# KiCad board poly_kb_wave_left_plate.kicad_pcb
title: PolyKB Atom; date: 2022-02-01; rev: 2.1; company: thpoll
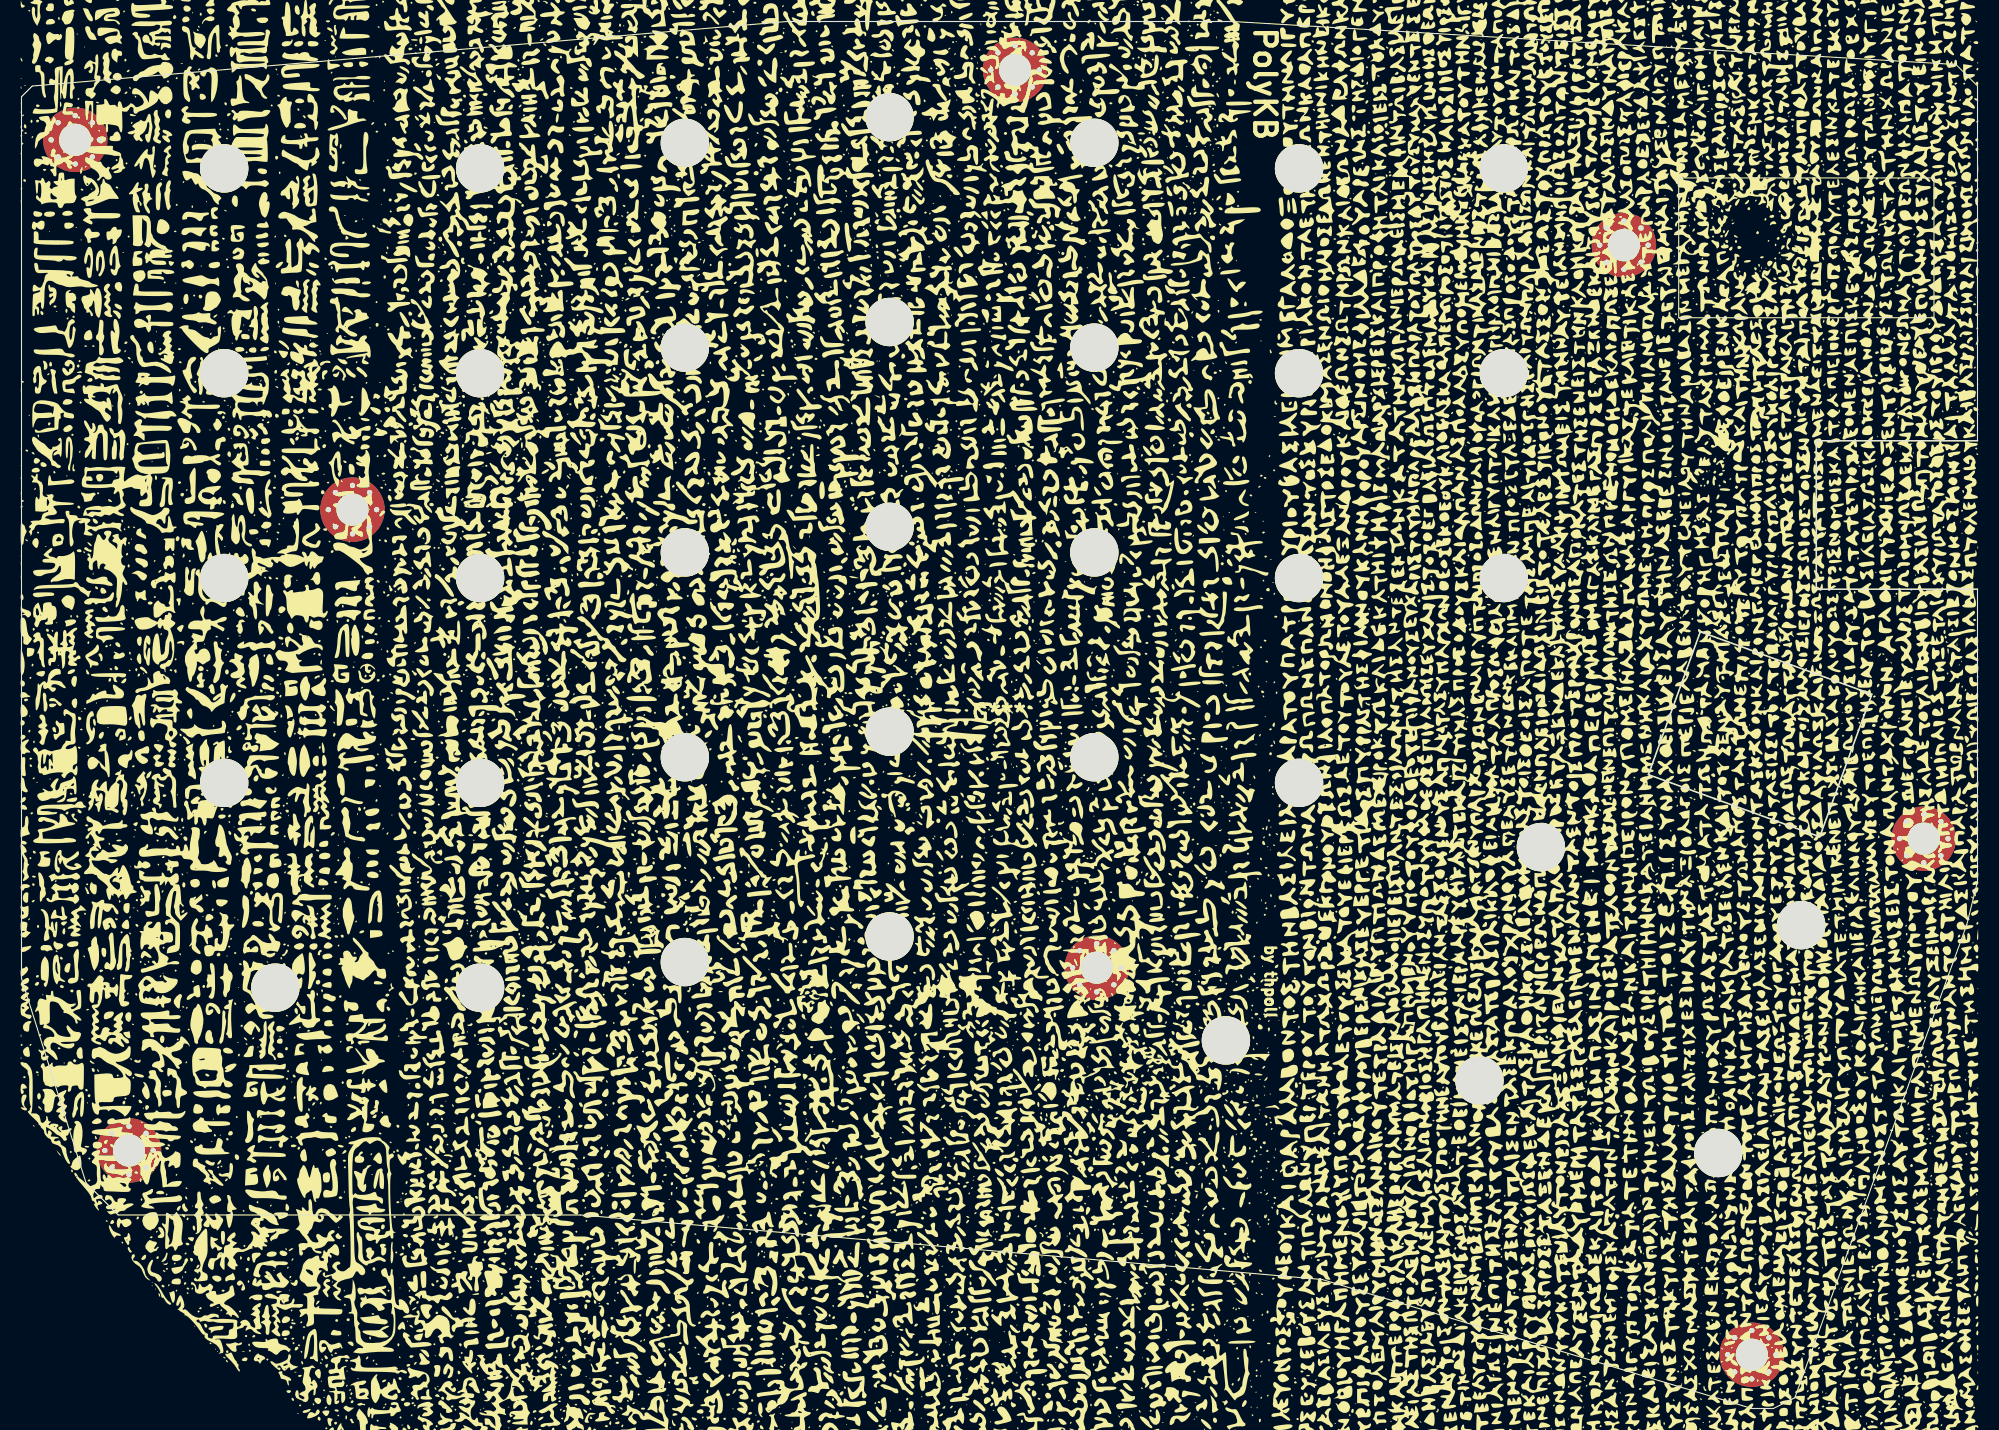
[diagram p0: board, top side]
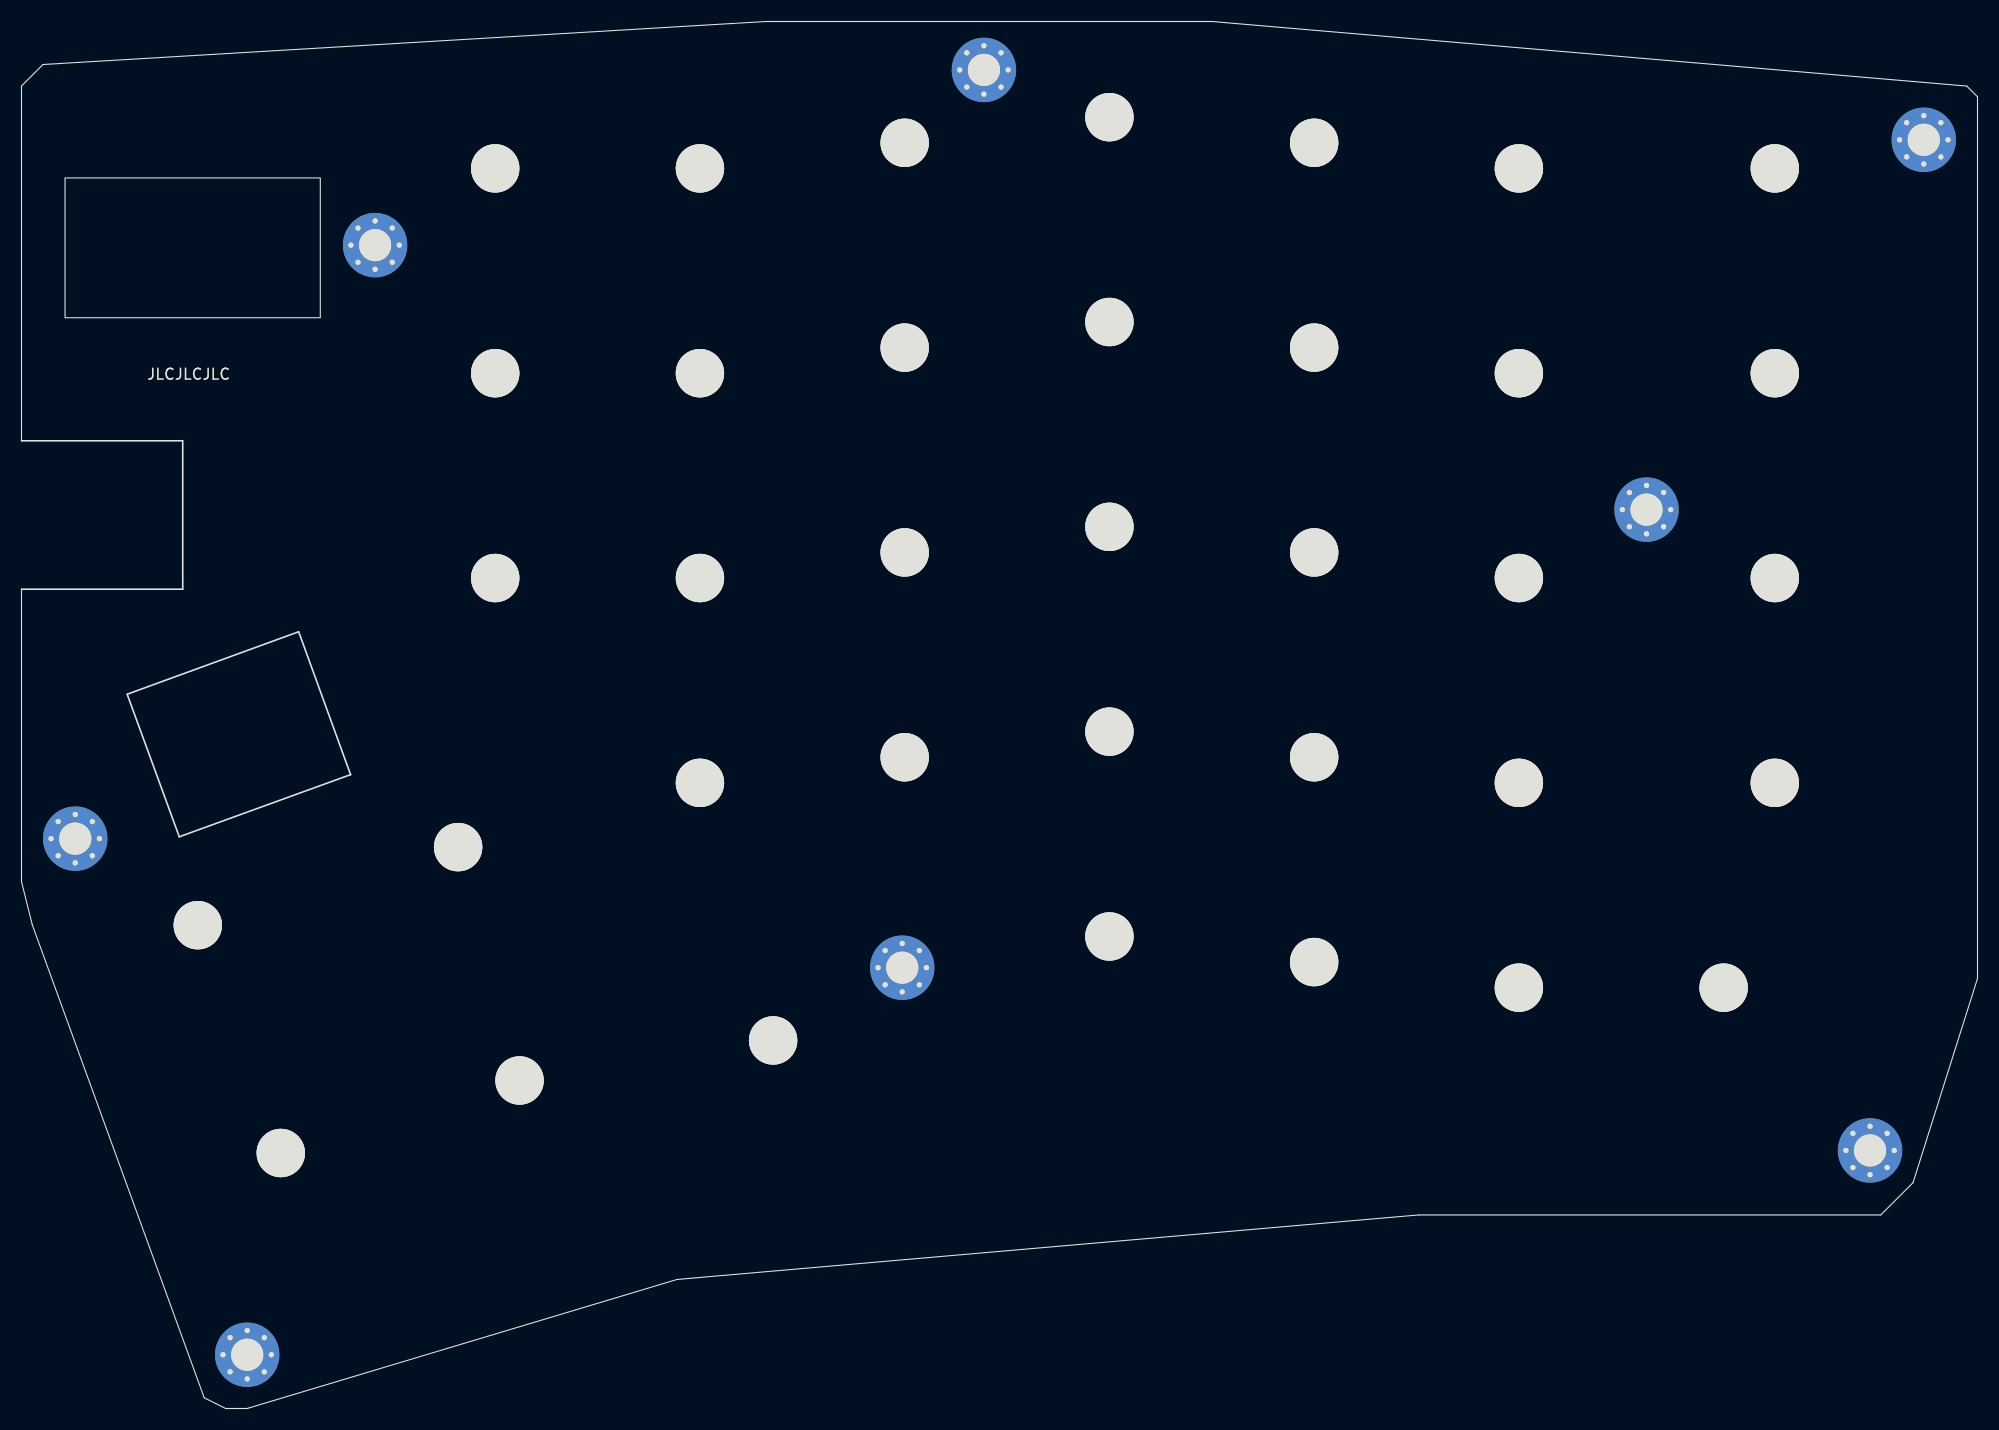
[diagram p1: board, bottom side, seen from below]

Outline 182 x 129 mm; copper layers: Top, Bottom. Coordinates in mm from the lower left corner of the outline.
Outline path: rectangle 154.2,114.45 177.95,101.45 ; 172.17,66.43 167.32,53.17 151.38,58.95 156.21,72.24 172.16,66.43 ; 0,122 0,40 6,21 9,18 52,18 121,12 161,0 163,0 165,1 181,45 182,49 182,76.2 167,76.2 167,90 182,90 182,123 180,125 112.7,129 71.2,129 1,123 0,122 ; 11.29,113.54 11.29,101.54 12.09,101.54 12.09,100.54 26.09,100.54 26.09,101.54 26.89,101.54 26.89,113.54 26.09,113.54 26.09,114.54 12.09,114.54 12.09,113.54 11.29,113.54 ; 11.29,94.49 11.29,82.49 12.09,82.49 12.09,81.49 26.09,81.49 26.09,82.49 26.89,82.49 26.89,94.49 26.09,94.49 26.09,95.49 12.09,95.49 12.09,94.49 11.29,94.49 ; 11.29,75.44 11.29,63.44 12.09,63.44 12.09,62.44 26.09,62.44 26.09,63.44 26.89,63.44 26.89,75.44 26.09,75.44 26.09,76.44 12.09,76.44 12.09,75.44 11.29,75.44 ; 11.29,56.39 11.29,44.39 12.09,44.39 12.09,43.39 26.09,43.39 26.09,44.39 26.89,44.39 26.89,56.39 26.09,56.39 26.09,57.39 12.09,57.39 12.09,56.39 11.29,56.39 ; 16.05,37.34 16.05,25.34 16.85,25.34 16.85,24.34 30.85,24.34 30.85,25.34 31.65,25.34 31.65,37.34 30.85,37.34 30.85,38.34 16.85,38.34 16.85,37.34 16.05,37.34 ; 35.1,113.54 35.1,101.54 35.9,101.54 35.9,100.54 49.9,100.54 49.9,101.54 50.7,101.54 50.7,113.54 49.9,113.54 49.9,114.54 35.9,114.54 35.9,113.54 35.1,113.54 ; 35.1,94.49 35.1,82.49 35.9,82.49 35.9,81.49 49.9,81.49 49.9,82.49 50.7,82.49 50.7,94.49 49.9,94.49 49.9,95.49 35.9,95.49 35.9,94.49 35.1,94.49 ; 35.1,75.44 35.1,63.44 35.9,63.44 35.9,62.44 49.9,62.44 49.9,63.44 50.7,63.44 50.7,75.44 49.9,75.44 49.9,76.44 35.9,76.44 35.9,75.44 35.1,75.44 ; 35.1,56.39 35.1,44.39 35.9,44.39 35.9,43.39 49.9,43.39 49.9,44.39 50.7,44.39 50.7,56.39 49.9,56.39 49.9,57.39 35.9,57.39 35.9,56.39 35.1,56.39 ; 35.1,37.34 35.1,25.34 35.9,25.34 35.9,24.34 49.9,24.34 49.9,25.34 50.7,25.34 50.7,37.34 49.9,37.34 49.9,38.34 35.9,38.34 35.9,37.34 35.1,37.34 ; 54.15,115.92 54.15,103.92 54.95,103.92 54.95,102.92 68.95,102.92 68.95,103.92 69.75,103.92 69.75,115.92 68.95,115.92 68.95,116.92 54.95,116.92 54.95,115.92 54.15,115.92 ; 54.15,96.87 54.15,84.87 54.95,84.87 54.95,83.87 68.95,83.87 68.95,84.87 69.75,84.87 69.75,96.87 68.95,96.87 68.95,97.87 54.95,97.87 54.95,96.87 54.15,96.87 ; 54.15,77.82 54.15,65.82 54.95,65.82 54.95,64.82 68.95,64.82 68.95,65.82 69.75,65.82 69.75,77.82 68.95,77.82 68.95,78.82 54.95,78.82 54.95,77.82 54.15,77.82 ; 54.15,58.77 54.15,46.77 54.95,46.77 54.95,45.77 68.95,45.77 68.95,46.77 69.75,46.77 69.75,58.77 68.95,58.77 68.95,59.77 54.95,59.77 54.95,58.77 54.15,58.77 ; 54.15,39.72 54.15,27.72 54.95,27.72 54.95,26.72 68.95,26.72 68.95,27.72 69.75,27.72 69.75,39.72 68.95,39.72 68.95,40.72 54.95,40.72 54.95,39.72 54.15,39.72 ; 73.2,118.3 73.2,106.3 74,106.3 74,105.3 88,105.3 88,106.3 88.8,106.3 88.8,118.3 88,118.3 88,119.3 74,119.3 74,118.3 73.2,118.3 ; 73.2,99.25 73.2,87.25 74,87.25 74,86.25 88,86.25 88,87.25 88.8,87.25 88.8,99.25 88,99.25 88,100.25 74,100.25 74,99.25 73.2,99.25 ; 73.2,80.2 73.2,68.2 74,68.2 74,67.2 88,67.2 88,68.2 88.8,68.2 88.8,80.2 88,80.2 88,81.2 74,81.2 74,80.2 73.2,80.2 ; 73.2,61.15 73.2,49.15 74,49.15 74,48.15 88,48.15 88,49.15 88.8,49.15 88.8,61.15 88,61.15 88,62.15 74,62.15 74,61.15 73.2,61.15 ; 73.2,42.1 73.2,30.1 74,30.1 74,29.1 88,29.1 88,30.1 88.8,30.1 88.8,42.1 88,42.1 88,43.1 74,43.1 74,42.1 73.2,42.1 ; 92.25,115.92 92.25,103.92 93.05,103.92 93.05,102.92 107.05,102.92 107.05,103.92 107.85,103.92 107.85,115.92 107.05,115.92 107.05,116.92 93.05,116.92 93.05,115.92 92.25,115.92 ; 92.25,96.87 92.25,84.87 93.05,84.87 93.05,83.87 107.05,83.87 107.05,84.87 107.85,84.87 107.85,96.87 107.05,96.87 107.05,97.87 93.05,97.87 93.05,96.87 92.25,96.87 ; 92.25,77.82 92.25,65.82 93.05,65.82 93.05,64.82 107.05,64.82 107.05,65.82 107.85,65.82 107.85,77.82 107.05,77.82 107.05,78.82 93.05,78.82 93.05,77.82 92.25,77.82 ; 92.25,58.77 92.25,46.77 93.05,46.77 93.05,45.77 107.05,45.77 107.05,46.77 107.85,46.77 107.85,58.77 107.05,58.77 107.05,59.77 93.05,59.77 93.05,58.77 92.25,58.77 ; 103.05,21.23 103.85,21.16 103.76,20.16 117.71,18.94 117.8,19.94 118.6,19.87 119.64,31.82 118.84,31.89 118.93,32.89 104.98,34.11 104.9,33.11 104.1,33.18 103.05,21.23 ; 111.3,113.54 111.3,101.54 112.1,101.54 112.1,100.54 126.1,100.54 126.1,101.54 126.9,101.54 126.9,113.54 126.1,113.54 126.1,114.54 112.1,114.54 112.1,113.54 111.3,113.54 ; 111.3,94.49 111.3,82.49 112.1,82.49 112.1,81.49 126.1,81.49 126.1,82.49 126.9,82.49 126.9,94.49 126.1,94.49 126.1,95.49 112.1,95.49 112.1,94.49 111.3,94.49 ; 111.3,75.44 111.3,63.44 112.1,63.44 112.1,62.44 126.1,62.44 126.1,63.44 126.9,63.44 126.9,75.44 126.1,75.44 126.1,76.44 112.1,76.44 112.1,75.44 111.3,75.44 ; 111.3,56.39 111.3,44.39 112.1,44.39 112.1,43.39 126.1,43.39 126.1,44.39 126.9,44.39 126.9,56.39 126.1,56.39 126.1,57.39 112.1,57.39 112.1,56.39 111.3,56.39 ; 124.81,18.99 125.58,18.8 125.35,17.83 138.96,14.56 139.2,15.53 139.98,15.34 142.78,27.01 142,27.2 142.23,28.17 128.62,31.44 128.39,30.47 127.61,30.65 124.81,18.99 ; 130.35,113.54 130.35,101.54 131.15,101.54 131.15,100.54 145.15,100.54 145.15,101.54 145.95,101.54 145.95,113.54 145.15,113.54 145.15,114.54 131.15,114.54 131.15,113.54 130.35,113.54 ; 130.35,94.49 130.35,82.49 131.15,82.49 131.15,81.49 145.15,81.49 145.15,82.49 145.95,82.49 145.95,94.49 145.15,94.49 145.15,95.49 131.15,95.49 131.15,94.49 130.35,94.49 ; 130.35,75.44 130.35,63.44 131.15,63.44 131.15,62.44 145.15,62.44 145.15,63.44 145.95,63.44 145.95,75.44 145.15,75.44 145.15,76.44 131.15,76.44 131.15,75.44 130.35,75.44 ; 130.53,40.7 131.3,40.51 131.07,39.54 144.68,36.27 144.92,37.24 145.7,37.05 148.5,48.72 147.72,48.91 147.95,49.88 134.34,53.15 134.11,52.18 133.33,52.36 130.53,40.7 ; 145.79,13.55 146.54,13.27 146.2,12.33 159.35,7.54 159.69,8.48 160.45,8.21 164.55,19.49 163.8,19.76 164.14,20.7 150.98,25.49 150.64,24.55 149.89,24.82 145.79,13.55 ; 153.52,34.74 154.27,34.46 153.93,33.52 167.08,28.73 167.42,29.67 168.18,29.4 172.28,40.68 171.53,40.95 171.87,41.89 158.71,46.68 158.37,45.74 157.62,46.01 153.52,34.74
Stack: Top 0.035mm / dielectric 1.51mm FR4 er 4.5 / Bottom 0.035mm

## Placement (name value [footprint] x y rotation side)
G***  LOGO  [unmasked_bg]  90.95 64.7 0 top
H1  MountingHole_Pad  [MountingHole_3mm_Pad_Via]  100.05 41 0 top
H2  MountingHole_Pad  [MountingHole_3mm_Pad_Via]  10 24 0 top
H3  MountingHole_Pad  [MountingHole_3mm_Pad_Via]  161 5 0 top
H4  MountingHole_Pad  [MountingHole_3mm_Pad_Via]  177 53 0 top
H5  MountingHole_Pad  [MountingHole_3mm_Pad_Via]  92.45 124.5 0 top
H6  MountingHole_Pad  [MountingHole_3mm_Pad_Via]  5 118 0 top
H7  MountingHole_Pad  [MountingHole_3mm_Pad_Via]  30.8 83.6 0 top
H8  MountingHole_Pad  [MountingHole_3mm_Pad_Via]  149.1 108.2 0 top
NOREF  -  [unnamed]  80.77 62.95 0 top
NOREF#2  -  [unnamed]  61.72 79.62 0 top
NOREF#3  -  [unnamed]  61.72 98.67 0 top
NOREF#4  -  [unnamed]  137.92 77.24 0 top
NOREF#5  -  [unnamed]  112.07 34.23 0 top
NOREF#6  -  [unnamed]  61.72 60.57 0 top
NOREF#7  -  [unnamed]  135.66 30.51 351.5 top
NOREF#8  -  [unnamed]  80.77 120.1 0 top
NOREF#9  -  [unnamed]  42.67 96.29 0 top
NOREF#10  -  [unnamed]  99.82 60.57 0 top
NOREF#11  -  [unnamed]  18.86 58.19 0 top
NOREF#12  -  [unnamed]  141.37 52.21 351.5 top
NOREF#13  -  [unnamed]  18.86 115.34 0 top
NOREF#14  -  [unnamed]  99.82 98.67 0 top
NOREF#15  -  [unnamed]  42.67 77.24 0 top
NOREF#16  -  [unnamed]  118.87 77.24 0 top
NOREF#17  -  [unnamed]  80.77 101.05 0 top
NOREF#18  -  [unnamed]  118.87 115.34 0 top
NOREF#19  -  [unnamed]  18.86 96.29 0 top
NOREF#20  -  [unnamed]  42.67 39.14 0 top
NOREF#21  -  [unnamed]  61.72 117.72 0 top
NOREF#22  -  [unnamed]  137.92 115.34 0 top
NOREF#23  -  [unnamed]  99.82 117.72 0 top
NOREF#24  -  [unnamed]  42.67 115.34 0 top
NOREF#25  -  [unnamed]  18.86 77.24 0 top
NOREF#26  -  [unnamed]  118.87 58.19 0 top
NOREF#27  -  [unnamed]  157.88 23.76 345 top
NOREF#28  -  [unnamed]  23.62 39.14 0 top
NOREF#29  -  [unnamed]  118.87 96.29 0 top
NOREF#30  -  [unnamed]  165.6 44.95 345 top
NOREF#31  -  [unnamed]  61.72 41.52 0 top
NOREF#32  -  [unnamed]  42.67 58.19 0 top
NOREF#33  -  [unnamed]  137.92 96.29 0 top
NOREF#34  -  [unnamed]  80.77 82 0 top
NOREF#35  -  [unnamed]  80.77 43.9 0 top
NOREF#36  -  [unnamed]  99.82 79.62 0 top

## Footprints (pads in the part's own frame, mm; a bottom-side part is the same pattern mirrored in y, then rotated)
MountingHole_3mm_Pad_Via
  round 0.8 hole 0.5: 1(-2.25,0) 1(-1.591,1.591) 1(-1.591,-1.591) 1(0,2.25) 1(0,-2.25) 1(1.591,1.591) 1(1.591,-1.591) 1(2.25,0)
  round 6 hole 3: 1(0,0)
unnamed
  round 4.5 hole 4.5 unplated: (0,0)

## Nets
GND: H1.1 H2.1 H3.1 H4.1 H5.1 H6.1 H7.1 H8.1

## Text on the board
B.Silkscreen: JLCJLCJLC
User.Comments: cutout
F.Silkscreen: by thpoll | PolyKB
